# Allegro board 6089-103-RevA_73.brd (continued)
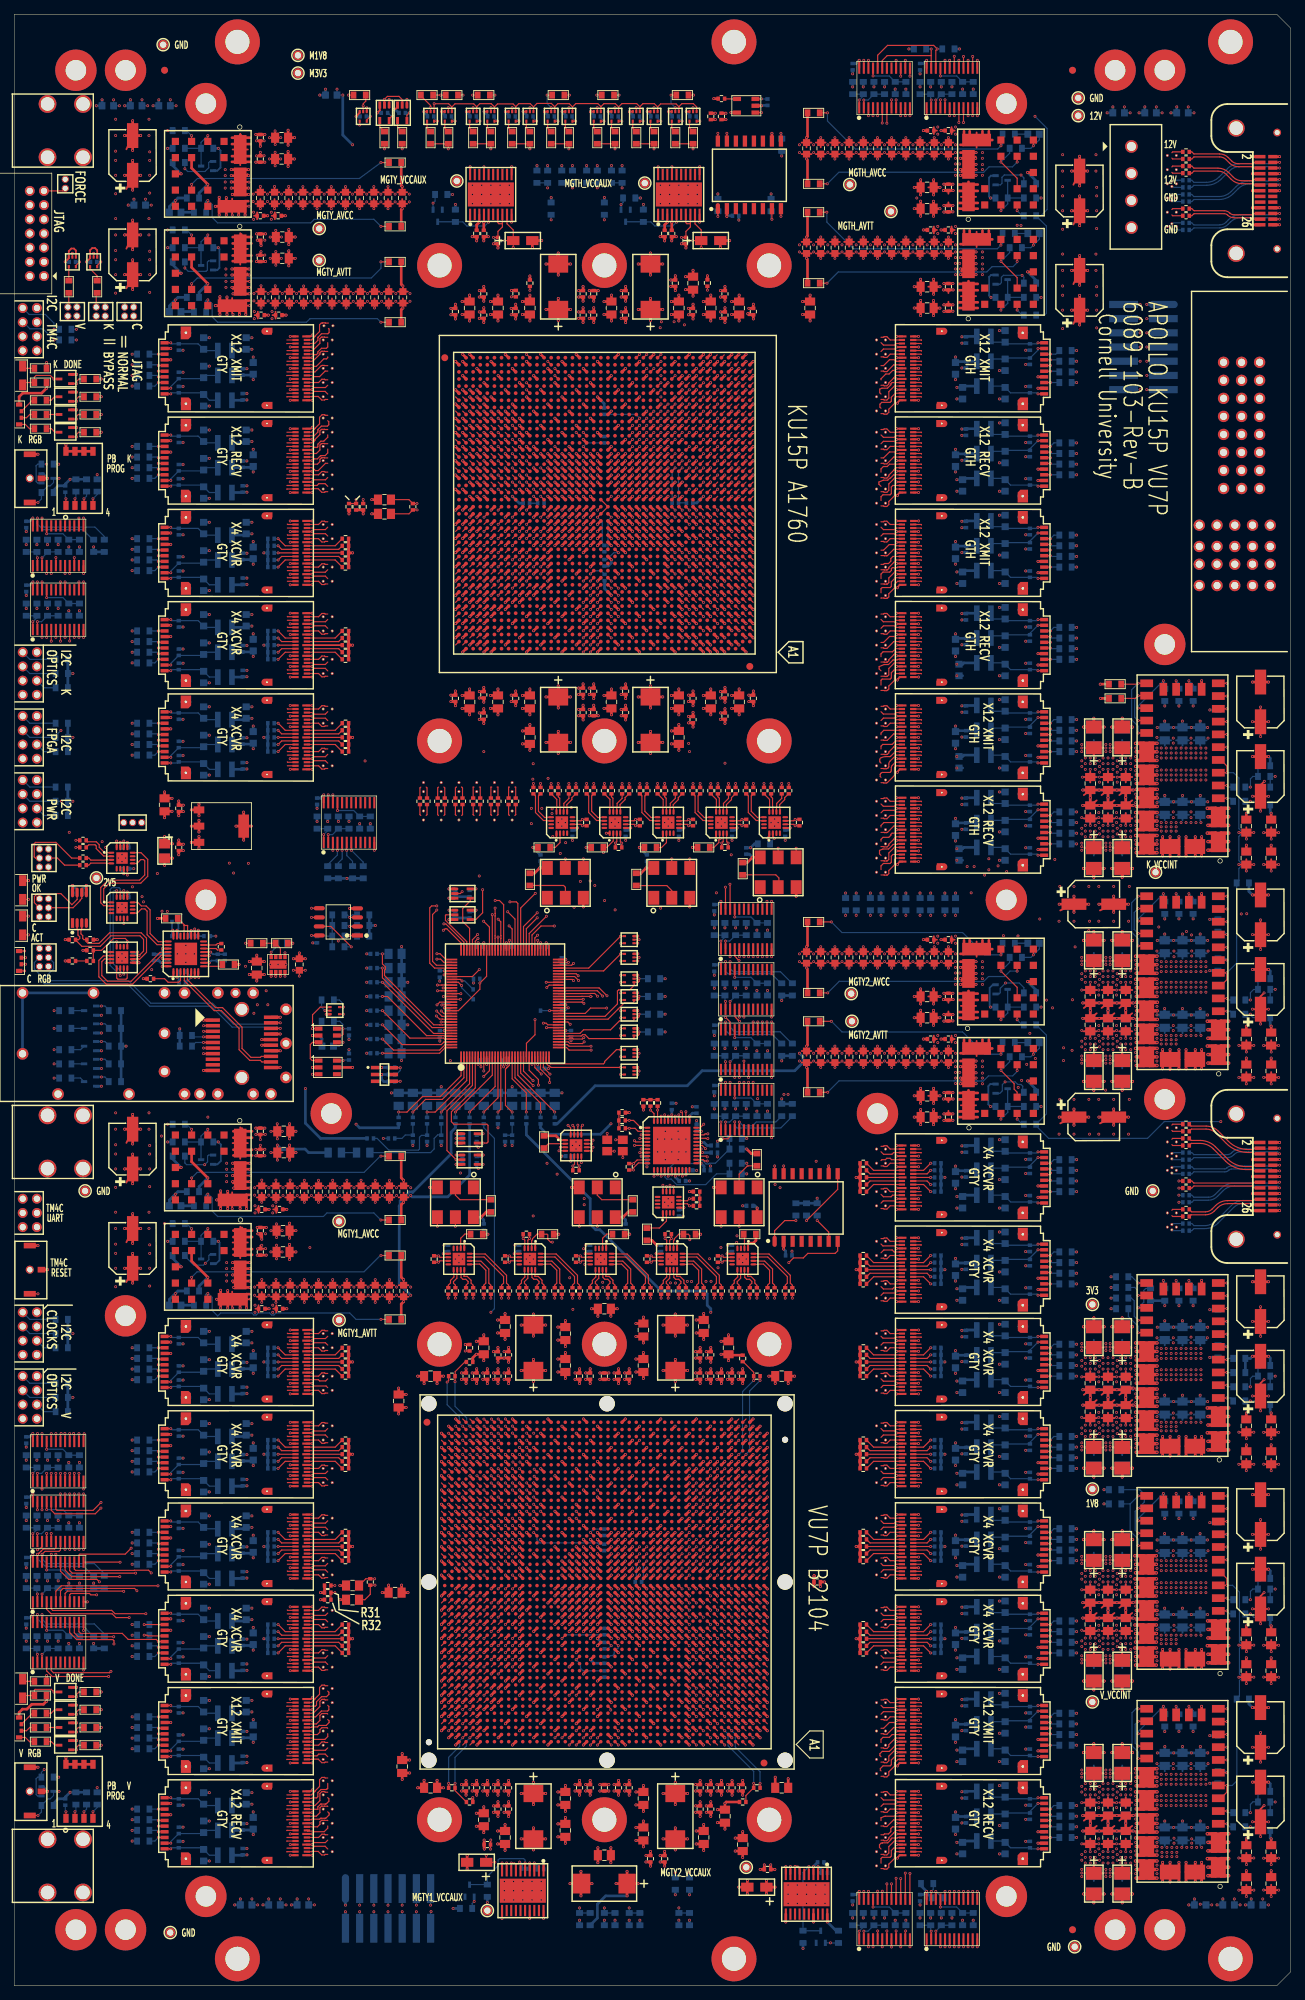
[diagram p0: board, top side]
## Routing (per net, layer and track width the routed paths; a pad name or vN(x,y) marks a point on that pad's centre or on a via; arc(x,y) is an arc through that point) (continued)
VCC_1V8: length 418.3
  TOP w0.25: U81.32 v1(96.86,120.4) ; U81.21 v1(94.7,114.27) ; U81.40 v1(92.2,122.53) ; U81.39 v1(92.7,122.72)
  TOP w0.254: C420.1 156.2,76.95 ; C420.1 154.9,75.86 ; C420.1 157.5,75.86 ; C388.1 152.6,79.99 ; C388.1 151.7,80.74 ; C388.1 150.8,79.99 ; C388.1 151.7,79.24 ; 156.7,79.24 C430.1 ; C430.1 156.7,80.74 ; C430.1 155.8,79.99 ; C430.1 157.6,79.99 ; C400.1 153.5,75.86 ; C400.1 152.2,76.95 ; C400.1 150.9,75.86 ; 153.3,79.99 C410.1 ; C410.1 154.2,79.24 ; C410.1 154.2,80.74 ; C410.1 155.1,79.99
  TOP w0.381: U65.V27 v1(77.23,204.93) ; U66.H25 v1(81.24,40.94) ; U65.L22 v1(82.23,197.93) ; 93.69,65.41 v1(94.16,65.87) ; U124.26 159.65,76.38 159.65,76.39 ; U66.BE24 v1(82.23,78.85) ; U66.E34 v1(72.25,37.94) ; v1(67.15,235.49) C130.1 v1(68.2,234.58) ; U66.BF31 v1(75.24,79.87) ; U66.AJ32 v1(74.23,62.88) ; U66.L16 v1(91.16,43.94) ; U65.AH27 v1(77.23,215.87) ; U66.AY29 v1(77.22,73.87) ; v1(99.56,237.95) C276.1 v1(100.2,237.37) ; U66.AR24 v1(82.23,68.87) ; U66.A36 v1(70.24,33.93) ; v1(65.56,237.95) C117.1 v1(66.2,237.37) ; v1(68.2,182.72) C131.1 v1(67.15,181.81) ; U66.B33 v1(73.24,34.95) ; U66.AE34 v1(72.25,58.86) ; U65.F17 v1(88.17,192.93) ; U65.F27 v1(77.23,192.93) ; U65.AG28 v1(76.23,214.87) ; U66.AG26 v1(80.25,60.87) ; U66.BD7 v1(100.17,77.86) ; U66.C40 v1(66.23,35.94) ; U66.AA30 v1(76.23,53.95) ; U66.BC40 v1(66.23,76.87) ; U66.L26 v1(80.25,43.94) ; U66.BA16 v1(91.16,74.87) ; U66.BC30 v1(76.23,76.87) ; R14.1 v1(12.27,226.4) ; v1(111.15,235.49) C315.1 v1(112.2,234.58) ; U66.AU28 v1(78.24,70.85) ; U65.E14 v1(91.17,191.93) ; U66.C30 v1(76.23,35.94) ; U65.AY29 v1(75.23,227.87) ; v1(100.2,179.93) C279.1 v1(99.56,179.35) ; U47.1 v1(62.3,120.06) ; U66.AW22 v1(85.16,72.86) ; U66.BD17 v1(90.17,77.86) ; v1(66.2,179.93) C120.1 v1(65.56,179.35) ; v1(82.56,85.45) C193.1 v1(83.83,85.45) ; U45.1 v1(61.3,154.56) ; U65.AF27 v1(77.23,213.87) ; U65.AB27 v1(77.23,209.87) ; v1(102.06,85.45) C290.1 v1(102.7,84.87) ; v1(63.06,28.35) C106.1 v1(63.7,28.93) ; U65.G30 v1(74.23,193.93) ; U66.BC10 v1(97.15,76.87) ; U66.AC28 v1(78.24,55.93) ; U66.AT31 v1(75.24,69.86) ; R68.2 v1(47.2,207.39) ; U66.G38 v1(68.23,39.93) ; 73.7,65.41 v1(73.24,65.87) ; U66.D17 v1(90.17,36.93) ; U66.AP27 v1(79.23,67.86) ; L1.1 v1(45.91,56.4) ; U66.BA36 v1(70.24,74.87) ; U65.AV33 v1(71.23,225.87) ; v1(54.2,80.58) C84.1 v1(55.25,81.49) ; U65.AU25 v1(79.23,224.87) ; U66.AK29 v1(77.22,63.87) ; U66.U28 v1(78.24,49.93) ; U65.T27 v1(77.23,202.93) ; U66.AV25 v1(81.24,71.87) ; U66.J32 v1(74.23,41.93) ; v1(107.29,84.87) C306.1 v1(106.38,85.9) ; U48.5 v1(66.1,117.06) ; U66.V29 v1(77.22,50.92) ; U66.BD37 v1(69.25,77.86) ; U66.P17 v1(90.17,46.94) ; v1(98.2,234.58) C262.1 v1(97.15,235.49) ; U65.AV13 v1(92.17,225.87) ; U65.Y27 v1(77.23,206.93) ; U65.AP21 v1(84.17,221.87) ; U65.H23 v1(81.23,194.93) ; U66.A16 v1(91.16,33.93) ; v1(55.52,55.4) C83.1 v1(54.61,56.45) ; U65.E24 v1(80.23,191.93) ; U66.B23 v1(84.17,34.95) ; U66.AA28 v1(78.24,53.95) ; v1(112.75,56.27) C316.1 112.75,57.63 112.81,57.69 112.81,57.76 112.78,57.76 112.78,57.78 v1(112.75,57.78) ; U66.AH27 v1(79.23,61.86) ; v1(97.15,181.81) C263.1 v1(98.2,182.72) ; v1(82.56,28.35) C194.1 v1(83.83,28.35) ; v1(60.52,27.9) C95.1 v1(59.61,28.95) ; U66.AB27 v1(79.23,54.94) ; U66.M33 v1(73.24,44.93) ; U66.Y27 v1(79.23,52.93) ; U66.AF31 v1(75.24,59.85) ; U66.D37 v1(69.25,36.93) ; U65.W28 v1(76.23,205.93) ; v1(63.7,84.87) C105.1 v1(63.06,85.45) ; U66.F31 v1(75.24,38.93) ; U66.E24 v1(82.23,37.94) ; U66.AE28 v1(78.24,58.86) ; U66.N20 v1(87.17,45.95) ; U66.AR34 v1(72.25,68.87) ; U66.AC30 v1(76.23,55.93) ; U66.H35 v1(71.23,40.94) ; U66.G28 v1(78.24,39.93) ; U65.AL17 v1(88.17,218.87) ; U66.BE34 v1(72.25,78.85) ; U46.5 v1(65.1,151.56) ; U66.K19 v1(88.16,42.95) ; U66.AT21 v1(86.15,69.86) ; U95.2 v1(100.47,249.31) ; v1(81.38,95.4) C192.1 v1(82.29,94.35) ; U65.AN13 v1(92.17,220.87) ; v1(59.61,84.85) C94.1 v1(60.52,85.9) ; U66.AD27 v1(79.23,57.87) ; U66.BE14 v1(93.16,78.85) ; U65.D31 v1(73.23,190.93) ; U66.AJ26 v1(80.25,62.88) ; v1(102.7,28.93) C291.1 v1(102.06,28.35) ; U66.BA26 v1(80.25,74.87) ; U65.U28 v1(76.23,203.93) ; v1(95.7,238.08) C245.1 v1(94.65,238.99) ; U65.M15 v1(90.17,198.93) ; v1(101.65,20.81) C292.1 v1(102.7,21.72) ; U66.A26 v1(80.25,33.93) ; U65.AR34 v1(70.23,222.87) ; U66.AD13 v1(94.16,57.87) ; U65.AY19 v1(86.17,227.87) ; U66.K29 v1(77.22,42.95) ; U66.Y29 v1(77.22,52.93) ; U65.B15 v1(90.17,188.93) ; U66.AU18 v1(89.18,70.85) ; v1(82.29,19.45) C195.1 v1(82.29,17.35) ; U65.AT17 v1(88.17,223.87) ; U65.C28 v1(76.23,189.93) ; U66.P27 v1(79.23,46.94) ; U65.AY24 v1(80.23,227.87) ; U66.AR14 v1(93.16,68.87) ; U65.AE28 v1(76.23,212.87) ; U66.BB33 v1(73.24,75.86) ; U66.BB13 v1(94.16,75.86) ; U66.BF11 v1(96.16,79.87) ; U65.J26 v1(78.23,195.93) ; C307.1 v1(107.29,29.39) ; v1(55.75,31.81) C86.1 v1(54.7,32.72) ; U65.AW36 v1(68.23,226.87) ; U65.C18 v1(87.17,189.93) ; U65.AW16 v1(89.17,226.87) ; U66.C20 v1(87.17,35.94) ; U66.H15 v1(92.17,40.94) ; U66.AA26 v1(80.25,53.95) ; U66.W32 v1(74.23,51.94) ; U66.M23 v1(84.17,44.93) ; U98.2 v1(108.47,103.81) ; U66.F21 v1(86.15,38.93) ; U65.AD27 v1(77.23,211.87) ; U66.E14 v1(93.16,37.94) ; U65.AP31 v1(73.23,221.87) ; U65.H13 v1(92.17,194.93) ; 83.71,65.41 v1(84.17,65.87) ; U65.K19 v1(86.17,196.93) ; U66.AN20 v1(87.17,66.86) ; U66.AL26 v1(80.25,64.86) ; U65.AP26 v1(78.23,221.87) ; U66.AB29 v1(77.22,54.94) ; U66.M13 v1(94.16,44.93) ; L3.1 v1(50.41,209.4) ; U66.BF21 v1(86.15,79.87) ; U66.AV15 v1(92.17,71.87) ; U66.N30 v1(76.23,45.95) ; R21.1 v1(12.27,41.4) ; U66.BD27 v1(79.23,77.86) ; U66.T31 v1(75.24,48.94) ; U66.BB23 v1(84.17,75.86) ; U66.AN30 v1(76.23,66.86) ; U66.R24 v1(82.23,47.93) ; U65.AU20 v1(85.17,224.87) ; U65.J16 v1(89.17,195.93) ; U65.AU30 v1(74.23,224.87) ; U66.W26 v1(80.25,51.94) ; U66.R14 v1(93.16,47.93) ; R32.2 v1(43.19,54.4) ; U66.AC26 v1(80.25,55.93) ; U66.AW32 v1(74.23,72.86) ; U66.D27 v1(79.23,36.93) ; U66.J22 v1(85.16,41.93) ; U66.AF29 v1(77.22,59.85) ; U66.AB33 v1(73.24,54.94) ; U66.AF27 v1(79.23,59.85) ; U66.V27 v1(79.23,50.92) ; U66.AY19 v1(88.16,73.87) ; U65.AA28 v1(76.23,207.93) ; U66.BC20 v1(87.17,76.87) ; U66.R34 v1(72.25,47.93) ; U66.AF13 v1(94.16,59.85) ; U66.B13 v1(94.16,34.95) ; U66.U26 v1(80.25,49.93) ; U66.W28 v1(78.24,51.94) ; U65.AC28 v1(76.23,210.87) ; U66.AG28 v1(78.24,60.87) ; U66.AL16 v1(91.16,64.86) ; U65.E34 v1(70.23,191.93) ; U66.AP17 v1(90.17,67.86) ; U66.G18 v1(89.18,39.93) ; U66.AD29 v1(77.22,57.87)
  TOP w0.5: 159.65,77.21 159.27,77.58 v1(158.09,77.58) ; 159.65,77.21 160.03,77.59 v1(161.11,77.59) ; 159.65,77.21 159.65,76.39 ; v1(158.1,80.83) 159.28,80.83 159.65,80.45 ; v1(161.1,75.17) 160.03,75.17 159.65,75.56 ; v1(158.19,78.42) 159.27,78.42 159.65,78.8 ; 159.65,79.63 v1(158.19,79.63) ; 159.65,79.63 U124.25 159.65,78.8 ; 159.65,79.63 v1(161.1,79.63) ; 159.65,79.63 159.65,80.45 ; v1(161.1,78.42) 160.03,78.42 159.65,78.8 ; 159.65,75.56 159.27,75.18 v1(158.19,75.18) ; 159.65,75.56 159.65,76.39 ; 159.65,76.39 v1(161.1,76.39) ; 159.65,76.39 v1(158.19,76.39) ; v1(161.12,80.83) 160.03,80.83 159.65,80.45
  PWR4 w0.254: 151.33,70.67 PM8.1 ; PM8.1 152.38,70.87 ; PM8.1 151.33,69.33 ; PM8.1 151.62,69.13 ; PM8.1 151.12,70 ; PM8.1 151.13,69.62 ; PM8.1 152.67,70.67 ; PM8.1 152,70.88
  BOTTOM w0.165: v1(41.51,12.24) C833.1 v1(42.33,11.4) ; v1(165.51,264.74) C506.1 v1(166.33,263.9) ; v1(18.51,251.74) C962.1 v1(19.33,250.9) ; v1(168.83,11.4) C491.1 167.6,11.4 167.5,11.5 v1(167.2,11.5)
  BOTTOM w0.254: C522.1 163.1,80.49 ; C522.1 162.2,79.74 ; C522.1 161.3,80.49 ; C410.1 154.2,80.74 ; C410.1 155.1,79.99 ; C410.1 154.2,79.24 ; C410.1 153.3,79.99 ; 166.3,80.49 C486.1 167.2,79.74 ; C388.1 152.6,79.99 ; C388.1 150.8,79.99 ; C388.1 151.7,80.74 ; C388.1 151.7,79.24 ; C420.1 157.5,75.86 ; C420.1 156.2,76.95 ; C420.1 154.9,75.86 ; C420.1 156.2,74.77 ; C400.1 152.2,76.95 ; C400.1 150.9,75.86 ; C400.1 152.2,74.77 ; C400.1 153.5,75.86 ; 163.8,80.49 C512.1 ; C512.1 164.7,79.74 ; C512.1 165.6,80.49 ; C430.1 156.7,80.74 ; C430.1 156.7,79.24 ; C430.1 157.6,79.99 ; C430.1 155.8,79.99
  BOTTOM w0.381: R284.2 v1(149.77,111.9) ; R618.2 v1(16.63,176.4) ; R283.2 v1(149.77,113.4) ; R413.1 v1(108.2,257.83) ; R254.2 v1(154.63,95.4) ; L27.1 134.25,101.9 C682.1 132.84,101.85 C716.1 v1(132.7,102.5) ; C798.1 62.51,119.85 v1(62.3,120.06) ; v1(132.7,89.5) C717.1 132.84,88.85 C684.1 134.25,88.9 L30.1 ; v1(33.7,60.3) C843.1 33.56,60.95 C873.1 32.15,60.9 L69.1 ; R311.2 v1(149.77,22.4) ; R260.2 v1(149.77,225.9) ; v1(33.7,200.3) C838.1 33.56,200.95 C863.1 32.15,200.9 L54.1 ; R610.2 v1(16.63,202.4) ; R629.2 v1(16.63,63.9) ; R705.1 5.56,210.72 6.2,211.35 R676.2 7.2,211.59 v1(7.87,212.26) R666.1 R658.1 ; R280.2 v1(149.77,160.9) ; L39.1 134.25,49.9 C690.1 132.84,49.85 C720.1 v1(132.7,50.5) ; R601.2 v1(16.63,229.9) ; R633.2 v1(16.63,50.9) ; R275.2 v1(149.77,175.4) ; C735.1 100.56,249.4 v1(100.47,249.31) ; L33.1 134.25,75.9 C686.1 132.84,75.85 C718.1 v1(132.7,76.5) ; R264.2 v1(149.77,212.9) ; L12.1 134.25,202.9 C672.1 132.84,202.85 C711.1 v1(132.7,203.5) ; L60.1 32.15,174.9 C867.1 33.56,174.95 C840.1 v1(33.7,174.3) ; R287.2 v1(149.77,100.4) ; L51.1 32.15,213.9 C861.1 33.56,213.95 C837.1 v1(33.7,213.3) ; R300.2 v1(149.77,59.9) ; R450.1 v1(95.2,9.25) ; R642.2 v1(16.63,23.4) ; v1(132.7,229.5) C709.1 132.84,228.85 C668.1 134.25,228.9 L6.1 ; L57.1 32.15,187.9 C865.1 33.56,187.95 C839.1 v1(33.7,187.3) ; R641.2 v1(16.63,24.9) ; L21.1 134.25,163.9 C678.1 132.84,163.85 C714.1 v1(132.7,164.5) ; R625.2 v1(16.63,76.9) ; J19.2 v1(46.7,10.44) ; R276.2 v1(149.77,173.9) ; v1(132.7,177.5) C713.1 132.84,176.85 C676.1 134.25,176.9 L18.1 ; C800.1 61.51,154.35 v1(61.3,154.56) ; R308.2 v1(149.77,33.9) ; L48.1 32.15,226.9 C859.1 33.56,226.95 C836.1 v1(33.7,226.3) ; R464.1 v1(84.2,256.47) ; L24.1 134.25,114.9 C680.1 132.84,114.85 C715.1 v1(132.7,115.5) ; R520.2 R526.2 v1(46.9,156.04) R529.2 R536.2 ; R299.2 v1(149.77,61.4) ; v1(132.7,37.5) C721.1 132.84,36.85 C692.1 134.25,36.9 L42.1 ; L9.1 134.25,215.9 C670.1 132.84,215.85 C710.1 v1(132.7,216.5) ; R634.2 v1(16.63,49.4) ; R268.2 v1(149.77,199.9) ; R303.2 v1(149.77,48.4) ; R617.2 v1(16.63,177.9) ; L63.1 32.15,86.9 C869.1 33.56,86.95 C841.1 v1(33.7,86.3) ; L72.1 32.15,47.9 C875.1 33.56,47.95 C844.1 v1(33.7,47.3) ; v1(132.7,24.5) C722.1 132.84,23.85 C694.1 134.25,23.9 L45.1 ; L15.1 134.25,189.9 C674.1 132.84,189.85 C712.1 v1(132.7,190.5) ; R638.2 v1(16.63,36.4) ; v1(108.47,103.81) 108.75,103.53 C729.1 ; R614.2 v1(16.63,189.4) ; R307.2 v1(149.77,35.4) ; R259.2 v1(149.77,227.4) ; L66.1 32.15,73.9 C871.1 33.56,73.95 C842.1 v1(33.7,73.3) ; R484.1 v1(75.7,251.97) ; C753.1 v1(92.7,122.72) ; R622.2 v1(16.63,88.4) ; C796.1 64.89,151.35 v1(65.1,151.56) ; R292.2 v1(149.77,85.9) ; R626.2 v1(16.63,75.4) ; R291.2 v1(149.77,87.4) ; R271.2 v1(149.77,188.4) ; R621.2 v1(16.63,89.9) ; v1(33.7,34.3) C845.1 33.56,34.95 C877.1 32.15,34.9 L75.1 ; R296.2 v1(149.77,72.9) ; R637.2 v1(16.63,37.9) ; R613.2 v1(16.63,190.9) ; R514.1 v1(49.69,137.4) ; L78.1 32.15,21.9 C879.1 33.56,21.95 C846.1 v1(33.7,21.3) ; R659.1 R667.1 v1(7.87,27.26) 7.2,26.59 R682.2 6.2,26.35 5.56,25.72 R713.1 ; v1(94.7,114.27) 94.75,114.32 C748.1 ; v1(132.7,63.5) C719.1 132.84,62.85 C688.1 134.25,62.9 L36.1 ; R479.1 v1(80.7,256.47) ; J18.2 v1(158.74,236.9) ; R272.2 v1(149.77,186.9) ; R304.2 v1(149.77,46.9) ; R606.2 v1(16.63,215.4) ; R267.2 v1(149.77,201.4) ; v1(113.2,110.97) R406.1 R407.1 R409.1 ; C746.1 96.81,120.45 v1(96.86,120.4) ; R279.2 v1(149.77,162.4) ; R453.1 v1(93.2,12.83) ; v1(66.1,117.06) 65.89,116.85 C793.1 ; R263.2 v1(149.77,214.4) ; R630.2 v1(16.63,62.4) ; R443.1 v1(99.2,252.47) ; R605.2 v1(16.63,216.9) ; R609.2 v1(16.63,203.9) ; R312.2 v1(149.77,20.9) ; R488.1 v1(73.7,256.47) ; R459.1 v1(88.2,9.25) ; R417.1 v1(106.7,252.47) ; R288.2 v1(149.77,98.9) ; R463.1 v1(84.7,9.25) ; R295.2 v1(149.77,74.4) ; R602.2 v1(16.63,228.4)
  vias: v1(150.5,80.1) v1(150.5,78.6) v1(150.5,77.8) v1(150.5,76.5) v1(150.5,76) v1(150.5,75.5) v1(151,79) v1(151,78.2) v1(151,77.4) v1(151.7,79) v1(151.7,78.2) v1(151.7,77.4) v1(152.4,79) v1(152.4,78.2) v1(152.4,77.4) v1(152.9,80.8) v1(152.9,80.1) v1(152.9,79.4) v1(153,78.6) v1(153,77.8) v1(153.5,79) v1(153.5,78.2) v1(153.5,77.4) v1(153.9,76.5) v1(153.9,76) v1(153.9,75.5) v1(154.2,79) v1(154.2,78.2) v1(154.2,77.4) v1(154.5,76.5) v1(154.5,76) v1(154.5,75.5) v1(154.9,79) v1(154.9,78.2) v1(154.9,77.4) v1(155.4,80.8) v1(155.4,80.1) v1(155.4,79.4) v1(155.5,78.6) v1(155.5,77.8) v1(156,79) v1(156,78.2) v1(156,77.4) v1(156.7,79) v1(156.7,78.2) v1(156.7,77.4) v1(157.4,79) v1(157.4,78.2) v1(157.4,77.4) v1(158.1,80.2) v1(158.1,79) v1(158.1,77) v1(158.1,75.8) v1(161.1,80.2) v1(161.1,79) v1(161.1,77) v1(161.1,75.8) v1(161.7,79.4) v1(161.7,78.8) v1(161.7,78.2) v1(162.4,79.4) v1(162.4,78.8) v1(162.4,78.2) v1(163.1,79.4) v1(163.1,78.8) v1(163.1,78.2) v1(163.4,80.7) v1(163.4,80) v1(163.8,79.4) v1(163.8,78.8) v1(163.8,78.2) v1(164.5,79.4) v1(165.2,79.4) v1(165.9,80.7) v1(165.9,80) v1(165.9,79.4) v1(166.6,79.4) v1(167.3,79.4)
VCC_1V8_PG: length 138.6
  TOP w0.165: v1(75.48,127.27) 75.48,127.88 74.2,129.16 U52.29
  SIG2 w0.079: v1(75.48,127.27) 75.48,127.11 98.15,127.11 98.83,126.42 127.33,126.42 127.64,126.11 129.76,126.11 129.86,126.22 151.73,126.22 152.06,126.54 153.53,126.54 v1(153.87,126.2)
  SIG3 w0.079: v1(153.87,126.2) 154.4,126.2 156.5,124.1 156.5,112.2 173.7,95 173.7,84.97 v1(174.27,84.4)
  BOTTOM w0.165: R221.2 v1(174.27,84.4) 174.27,85.57 174.59,85.89 175.32,85.89 R202.2 R201.1
VCC_1V8_PWR_EN: length 123.9
  TOP w0.165: U73.4 v1(85.49,137.4) ; 169.75,88.22 v1(170.95,88.22)
  SIG3 w0.079: v1(170.95,88.22) 170.59,88.59 170.59,96.71 155.5,111.8 155.5,121.52 146.38,130.64 v1(146.38,137.79)
  SIG4 w0.079: v1(146.38,137.79) 145.93,138.24 137.48,138.24 137.24,138 127.64,138 127.63,138.01 86.38,138.01 85.77,137.4 v1(85.49,137.4)
  BOTTOM w0.165: R219.1 171.13,88.4 v1(170.95,88.22)
VCC_2V5: length 38.6
  TOP w0.165: U12.12 v1(17.41,145.65) ; U12.16 v1(14.45,147.11) ; U11.7 v1(15.45,149.69) ; U11.14 v1(15.45,154.3)
  TOP w0.25: U10.16 v1(14.45,161.3) ; U10.7 v1(15.45,156.69) ; U10.14 v1(15.45,161.3)
  TOP w0.381: v1(23.2,161.43) C13.1 v1(23.84,160.85) ; U19.3 v1(26.05,160.29) ; U19.3 v1(24.97,161.11) ; U19.3 v1(26.05,161.94) ; R18.1 v1(11.71,147.4) ; R12.1 v1(7.19,147.4) ; v1(21.2,161.92) C11.1 v1(22.3,160.92) ; R19.2 v1(9.69,145.9)
  PWR3 w0.254: 10.72,156.1 PM14.1 ; PM14.1 10.93,156.77 ; PM14.1 11.6,155.22 ; PM14.1 12.27,155.43 ; PM14.1 10.93,155.43 ; PM14.1 12.48,156.1 ; PM14.1 11.6,156.98 ; PM14.1 12.27,156.77
  BOTTOM w0.381: C964.1 17.09,145.35 17.39,145.65 v1(17.41,145.65) ; C967.1 15.45,153.6 v1(15.45,154.3) ; C966.1 15.25,156.89 v1(15.45,156.69) ; v1(15.45,161.3) 15.45,160.6 C965.1 ; R519.1 43.2,119.4 41.05,121.55 v1(41.05,126.42)
VCC_3V3: length 477.4
  TOP w0.25: U81.8 v1(88.19,117.4) ; v1(96.86,118.81) 96.83,118.81 96.75,118.9 U81.29 ; U61.5 v1(78.45,116.19) ; U81.23 v1(96.83,115.9) ; U102.24 v1(128.62,271.3) ; U54.4 v1(72.67,17.3) ; U36.24 v1(43.62,167.8) ; U83.5 v1(90.49,103.15) ; U14.1 22.45,142.26 v1(22.3,142.11) ; U91.24 v1(99.62,152.8) ; U58.5 v1(79.41,163.15) ; U81.18 v1(93.2,114.08) ; U81.9 v1(88.38,116.9) ; U103.24 v1(128.62,13.3) ; U68.5 v1(86.91,163.15) ; 92.72,249.6 v1(92.72,248.5) ; U99.4 v1(112.67,16.8) ; U3.24 v1(2.62,77.8) ; U99.3 v1(113.33,16.8) ; U94.24 v1(99.62,127.3) ; U56.5 v1(70.49,103.15) ; U54.3 v1(73.33,17.3) ; v1(20.87,143.62) 20.87,143.62 21.02,143.62 21.04,143.65 U14.32 ; U89.5 v1(100.49,103.15) ; U96.5 v1(109.41,163.15) ; U93.24 v1(99.62,135.8) ; U85.3 v1(92.08,248.5) ; U64.5 v1(80.49,103.15) ; U14.12 v1(27.5,145.15) ; U14.10 v1(27.5,144.15) ; U79.5 v1(94.41,163.15) ; U14.2 v1(22.95,142.1) ; U2.24 v1(2.62,197.8) ; U100.24 v1(119.12,271.3) ; U4.24 v1(2.62,69.3) ; U101.24 v1(119.12,13.3) ; U1.24 v1(2.62,206.8) ; U81.34 v1(95.2,122.53) ; U14.31 v1(20.91,144.15) ; 66.22,249.6 v1(66.22,248.5) ; U14.24 22.45,148.5 22.36,148.59 v1(22.36,148.73) ; U81.26 v1(97.02,117.4) ; U6.24 v1(2.62,52.3) ; U80.5 v1(94.41,109.65) ; U92.24 v1(99.62,144.3) ; U14.18 v1(25.45,148.9) ; U51.3 v1(65.58,248.5) ; U44.5 v1(60.49,103.15) ; U5.24 v1(2.62,60.8) ; U87.5 v1(101.91,163.15)
  TOP w0.254: 154.2,85.06 C409.1 ; C409.1 154.2,86.56 ; C409.1 155.1,85.81 ; C409.1 153.3,85.81 ; C429.1 156.7,86.56 ; C429.1 156.7,85.06 ; C429.1 155.8,85.81 ; C429.1 157.6,85.81 ; 150.9,89.94 C399.1 ; C399.1 153.5,89.94 ; C399.1 152.2,88.85 ; 151.7,85.06 C387.1 ; C387.1 151.7,86.56 ; C387.1 150.8,85.81 ; C387.1 152.6,85.81 ; 156.2,88.85 C419.1 ; C419.1 154.9,89.94 ; C419.1 157.5,89.94
  TOP w0.381: R144.2 103.35,158.26 v1(104.08,159) U97.6 ; R96.2 66.55,109.04 v1(65.82,108.3) U43.6 ; U13.15 v1(34.9,132.53) ; C111.1 65.2,248.12 v1(65.58,248.5) ; D5.2 v1(2.01,155.72) ; R122.2 86.55,109.04 v1(85.82,108.3) U63.6 ; v1(21.2,164.58) C10.1 v1(22.25,165.49) ; D3.3 0.7,38.52 1.17,38.98 1.79,38.98 2.48,39.66 4.13,39.66 v1(4.56,40.1) R7.1 ; v1(23.84,165.45) C12.1 v1(23.2,164.87) ; U13.16 v1(34.9,133.32) ; R2.1 v1(4.56,225.1) 3.86,224.4 1.2,224.4 0.7,223.9 D1.3 ; v1(103.27,117.9) 103.91,117.26 R149.2 ; R1.2 v1(4.56,228.7) ; C116.1 66.2,248.47 v1(66.22,248.5) ; U88.6 v1(104.74,109.58) ; R103.2 73.35,156.76 v1(74.08,157.5) U59.6 ; R6.2 v1(4.56,43.7) ; U124.22 159.65,89.38 159.64,89.38 ; R124.2 88.35,156.76 v1(89.08,157.5) U82.6 ; v1(92.08,248.5) 91.7,248.12 C229.1 ; C233.1 92.7,248.47 v1(92.72,248.5) ; U19.1 v1(26.05,166.51) ; U19.1 v1(26.05,164.86) ; U19.1 v1(24.97,165.69) ; U8.8 v1(8.22,155.04)
  TOP w0.5: 159.64,88.55 160.02,88.17 v1(161.09,88.17) ; 159.64,88.55 159.64,89.38 ; 159.64,88.55 159.26,88.17 v1(158.18,88.17) ; v1(161.1,84.92) 160.03,84.92 159.65,85.3 ; 159.65,85.3 159.27,84.92 v1(158.19,84.92) ; 159.65,85.3 U124.23 ; 159.64,89.38 v1(158.19,89.38) ; 159.64,89.38 159.64,90.2 ; 159.64,89.38 v1(161.09,89.38) ; U124.23 v1(158.19,86.12) ; U124.23 v1(161.1,86.12) ; U124.23 159.65,86.95 ; 159.64,90.2 159.26,90.58 v1(158.09,90.58) ; 159.64,90.2 160.02,90.58 v1(161.1,90.58) ; v1(161.12,87.33) 160.03,87.33 159.65,86.95 ; 159.65,86.95 159.28,87.33 v1(158.1,87.33)
  PWR1 w0.254: 151.12,96 PM17.1 ; PM17.1 152.67,96.67 ; PM17.1 152,95.12 ; PM17.1 151.33,96.67 ; PM17.1 152.67,95.33 ; PM17.1 151.33,95.33 ; PM17.1 152,96.88 ; PM17.1 152.88,96
  BOTTOM w0.165: v1(172.83,11.4) C480.1 v1(172.01,12.24) ; v1(161.83,263.9) C527.1 v1(161.01,264.74) ; v1(18.83,264.9) C963.1 v1(18.01,265.74) ; v1(37.51,12.24) C835.1 v1(38.33,11.4)
  BOTTOM w0.25: C918.1 23.25,142.41 v1(22.95,142.1) 23.25,141.81 C919.1 ; C956.1 22.25,148.63 v1(22.36,148.73) 22.25,148.84 C955.1 ; v1(25.45,148.9) 25.45,148.1 C917.1 C883.1 ; v1(27.5,144.15) 27.8,144.45 C882.1 C881.1
  BOTTOM w0.254: 166.3,90.99 C485.1 ; C485.1 167.2,90.24 ; C485.1 168.1,90.99 ; 162.2,90.24 C521.1 ; C521.1 161.3,90.99 ; C521.1 163.1,90.99 ; 151.7,85.06 C387.1 ; C387.1 151.7,86.56 ; C387.1 150.8,85.81 ; C387.1 152.6,85.81 ; C511.1 165.6,90.99 ; C511.1 163.8,90.99 ; C511.1 164.7,90.24 ; C419.1 156.2,91.03 ; C419.1 154.9,89.94 ; C419.1 156.2,88.85 ; C419.1 157.5,89.94 ; C409.1 155.1,85.81 ; C409.1 154.2,85.06 ; C409.1 154.2,86.56 ; C409.1 153.3,85.81 ; C429.1 156.7,86.56 ; C429.1 155.8,85.81 ; C429.1 156.7,85.06 ; C429.1 157.6,85.81 ; C399.1 152.2,91.03 ; C399.1 153.5,89.94 ; C399.1 152.2,88.85 ; C399.1 150.9,89.94
  BOTTOM w0.381: R397.2 v1(121.2,9.55) ; v1(128.62,13.3) 127.84,14.09 R382.2 ; v1(128.62,13.3) 128.62,13.11 R378.2 ; v1(128.62,13.3) 128.17,12.85 C724.1 ; v1(78.45,116.19) 78.65,116.39 C767.1 ; v1(108.2,130.33) R415.2 R411.2 ; C831.1 43.17,167.35 v1(43.62,167.8) ; R434.2 v1(101.7,123.55) ; C973.1 2.17,197.35 v1(2.62,197.8) ; v1(23.34,134.83) R587.2 R588.2 ; R724.2 v1(1.7,57.05) ; R310.2 v1(149.77,23.9) ; R722.2 v1(1.7,74.05) ; v1(133.59,118.35) C679.1 134.25,118.4 L23.1 ; R345.2 v1(131.2,153.97) ; v1(119.12,13.3) 118.67,12.85 C726.1 ; R683.2 R684.2 ; R684.2 R685.2 ; R684.2 v1(8.27,184.9) ; v1(33.51,64.59) C854.1 32.51,64.4 L68.1 ; v1(133.59,193.35) C673.1 134.25,193.4 L14.1 ; R693.2 v1(8.27,91.9) ; R693.2 R694.2 ; R693.2 R692.2 ; C744.1 97.25,115.48 v1(96.83,115.9) ; v1(132.89,20.21) C705.1 133.89,20.4 L46.1 ; R640.2 v1(16.63,33.4) ; v1(33.51,51.59) C855.1 32.51,51.4 L71.1 ; v1(132.89,98.21) C699.1 133.89,98.4 L28.1 ; L20.1 134.25,167.4 C677.1 v1(133.59,167.35) ; v1(2.62,69.3) 2.17,68.85 C975.1 ; v1(11.2,48.25) R657.2 R652.2 ; v1(33.51,191.59) C850.1 32.51,191.4 L56.1 ; R691.2 R690.2 ; R690.2 R689.2 ; R690.2 v1(8.27,166.9) ; R339.2 v1(133.7,267.25) ; v1(33.51,204.59) C849.1 32.51,204.4 L53.1 ; R668.2 v1(7.7,202.75) ; R539.2 v1(42.7,164.05) ; v1(73.33,17.3) 73.75,16.88 C776.1 ; R432.2 v1(101.7,140.55) ; R624.2 v1(16.63,85.4) ; R608.2 v1(16.63,212.4) ; v1(133.59,40.35) C691.1 134.25,40.4 L41.1 ; C774.1 74.2,157.62 v1(74.08,157.5) ; R720.2 v1(1.7,203.05) ; v1(132.89,33.21) C704.1 133.89,33.4 L43.1 ; C750.1 94.11,162.85 v1(94.41,163.15) ; v1(33.51,90.59) C852.1 32.51,90.4 L62.1 ; R286.2 v1(149.77,101.9) ; L34.1 133.89,72.4 C701.1 v1(132.89,72.21) ; R262.2 v1(149.77,215.9) ; v1(33.51,38.59) C856.1 32.51,38.4 L74.1 ; v1(32.81,57.45) C874.1 32.15,57.4 L70.1 ; R631.2 v1(16.63,60.9) ; R385.2 v1(127.7,153.97) ; L35.1 134.25,66.4 C687.1 v1(133.59,66.35) ; L79.1 32.15,18.4 C880.1 v1(32.81,18.45) ; v1(99.62,144.3) 99.17,143.85 C739.1 ; C741.1 99.17,126.85 v1(99.62,127.3) ; R707.2 v1(4.7,194.05) ; L7.1 133.89,225.4 C695.1 v1(132.89,225.21) ; v1(99.62,152.8) 99.17,152.35 C738.1 ; v1(113.33,16.8) 113.75,16.38 C727.1 ; R277.2 v1(149.77,165.4) ; R447.2 v1(98.7,123.55) ; v1(32.81,70.45) C872.1 32.15,70.4 L67.1 ; R433.2 v1(101.7,132.05) ; v1(133.59,105.35) C681.1 134.25,105.4 L26.1 ; v1(109.41,163.15) 109.11,162.85 C730.1 ; v1(104.74,109.58) 104.42,109.9 C733.1 ; v1(108.2,138.83) R414.2 R410.2 ; R289.2 v1(149.77,90.4) ; L16.1 133.89,186.4 133.7,186.21 C706.1 v1(132.89,186.21) ; R643.2 v1(16.63,21.9) ; R721.2 v1(1.7,194.05) ; L29.1 134.25,92.4 C683.1 v1(133.59,92.35) ; v1(96.86,118.81) 97.28,118.81 97.69,118.4 C742.1 ; v1(88.38,116.9) 88.43,116.85 C757.1 ; R388.2 v1(125.7,153.97) ; C961.1 20.4,144.45 20.7,144.15 v1(20.91,144.15) 21.1,144.15 21.4,144.45 C959.1 ; R396.2 v1(121.2,267.55) ; v1(99.62,135.8) 99.17,135.35 C740.1 ; v1(32.81,44.45) C876.1 32.15,44.4 L73.1 ; C789.1 66.2,107.92 v1(65.82,108.3) ; C728.1 112.67,16.82 v1(112.67,16.8) ; v1(133.59,79.35) C685.1 134.25,79.4 L32.1 ; L22.1 133.89,160.4 133.7,160.21 C708.1 v1(132.89,160.21) ; R273.2 v1(149.77,178.4) ; L77.1 32.51,25.4 C857.1 v1(33.51,25.59) ; R294.2 v1(149.77,75.9) ; R639.2 v1(16.63,34.9) ; R395.2 v1(122.2,153.97) ; R298.2 v1(149.77,62.9) ; C725.1 118.67,270.85 v1(119.12,271.3) ; R458.1 v1(88.7,251) ; v1(93.2,114.08) 93.2,113.95 C749.1 ; R615.2 v1(16.63,187.9) ; R444.2 v1(98.7,149.05) ; v1(33.51,178.59) C851.1 32.51,178.4 L59.1 ; C974.1 2.17,77.35 v1(2.62,77.8) ; R686.2 R687.2 ; R687.2 v1(8.27,175.9) ; R687.2 R688.2 ; R696.2 v1(8.27,82.9) ; R696.2 R697.2 ; R696.2 R695.2 ; L50.1 32.51,217.4 C848.1 v1(33.51,217.59) ; v1(86.91,163.15) 86.61,162.85 C759.1 ; L10.1 133.89,212.4 C696.1 v1(132.89,212.21) ; v1(101.91,163.15) 101.61,162.85 C736.1 ; R265.2 v1(149.77,204.4) ; v1(133.59,180.35) C675.1 134.25,180.4 L17.1 ; v1(2.62,206.8) 2.17,206.35 C972.1 ; R628.2 v1(16.63,72.4) ; R270.2 v1(149.77,189.9) ; v1(33.51,77.59) C853.1 32.51,77.4 L65.1 ; R620.2 v1(16.63,173.4) ; L58.1 32.15,184.4 C866.1 v1(32.81,184.45) ; R644.2 v1(16.63,20.4) ; R636.2 v1(16.63,46.4) ; R710.2 v1(4.7,57.05) ; v1(100.49,103.15) 100.79,103.45 C737.1 ; C976.1 2.17,60.35 v1(2.62,60.8) ; R619.2 v1(16.63,174.9) ; R708.2 v1(4.7,74.05) ; R340.2 v1(133.7,9.25) ; R390.2 v1(124.2,267.25) ; R436.2 v1(103.27,117.9) ; v1(8.22,155.04) 8.75,154.51 C970.1 ; C743.1 v1(97.02,117.4) ; R669.2 v1(7.7,193.75) ; R402.2 v1(118.2,267.55) ; R423.2 v1(104.7,148.75) ; R611.2 v1(16.63,200.9) ; L19.1 133.89,173.4 133.7,173.21 C707.1 v1(132.89,173.21) ; R723.2 v1(1.7,65.55) ; R392.2 v1(124.2,9.25) ; C760.1 86.2,107.92 v1(85.82,108.3) ; R403.2 v1(118.2,9.55) ; v1(132.89,199.21) C697.1 133.89,199.4 L13.1 ; v1(32.81,197.45) C864.1 32.15,197.4 L55.1 ; R274.2 v1(149.77,176.9) ; R297.2 v1(149.77,64.4) ; C763.1 80.79,103.45 v1(80.49,103.15) ; R438.2 v1(103.27,114.4) ; R408.1 v1(111.2,5.25) ; R616.2 v1(16.63,186.4) ; R282.2 v1(149.77,114.9) ; R424.2 v1(104.7,140.25) ; v1(132.89,111.21) C698.1 133.89,111.4 L25.1 ; v1(70.49,103.15) 70.79,103.45 C780.1 ; R632.2 v1(16.63,59.4) ; R346.2 v1(130.7,267.55) ; v1(72.67,17.3) 72.67,16.73 C777.1 ; R341.2 v1(132.7,153.97) ; L52.1 32.15,210.4 C862.1 v1(32.81,210.45) ; R281.2 v1(149.77,116.4) ; L5.1 134.25,232.4 C667.1 v1(133.59,232.35) ; v1(133.59,219.35) C669.1 134.25,219.4 L8.1 ; R386.2 v1(127.7,9.55) ; R257.2 v1(149.77,230.4) ; R604.2 v1(16.63,225.4) ; R344.2 v1(133.27,272.9) ; v1(2.62,52.3) 2.17,51.85 C977.1 ; R495.1 v1(66.7,11.72) ; R302.2 v1(149.77,49.9) ; v1(90.49,103.15) 90.79,103.45 C754.1 ; R404.2 v1(117.2,153.97) ; R709.2 v1(4.7,65.55) ; v1(94.41,109.65) 94.11,109.35 C751.1 ; v1(32.81,223.45) C860.1 32.15,223.4 L49.1 ; v1(132.89,85.21) C700.1 133.89,85.4 L31.1 ; R499.1 v1(62.2,251) ; C764.1 79.11,162.85 v1(79.41,163.15) ; R269.2 v1(149.77,191.4) ; R266.2 v1(149.77,202.9) ; v1(133.59,27.35) C693.1 134.25,27.4 L44.1 ; R670.2 v1(7.7,73.75) ; R635.2 v1(16.63,47.9) ; C734.1 103.63,159.45 v1(104.08,159) ; R492.1 v1(70.2,118.39) ; R278.2 v1(149.77,163.9) ; C745.1 95.62,122.95 v1(95.2,122.53) ; R607.2 v1(16.63,213.9) ; R426.2 v1(104.7,123.25) ; v1(32.81,171.45) C868.1 32.15,171.4 L61.1 ; R725.2 v1(1.7,48.55) ; R290.2 v1(149.77,88.9) ; R258.2 v1(149.77,228.9) ; v1(132.89,46.21) C703.1 133.89,46.4 L40.1 ; v1(128.62,271.3) 128.17,270.85 C723.1 ; R347.2 v1(130.7,9.55) ; v1(32.81,83.45) C870.1 32.15,83.4 L64.1 ; R673.2 v1(7.7,48.25) ; R251.2 v1(154.63,99.9) ; v1(11.2,202.75) R655.2 R650.2 ; v1(133.59,53.35) C689.1 134.25,53.4 L38.1 ; R285.2 v1(149.77,103.4) ; R445.2 v1(98.7,140.55) ; R401.2 v1(118.7,153.97) ; L76.1 32.15,31.4 C878.1 v1(32.81,31.45) ; R391.2 v1(124.2,153.97) ; L37.1 133.89,59.4 C702.1 v1(132.89,59.21) ; R706.2 v1(4.7,203.05) ; v1(133.59,206.35) C671.1 134.25,206.4 L11.1 ; v1(108.2,124.97) R416.2 R412.2 ; R525.2 v1(48.7,163.75) ; R380.2 v1(129.2,153.97) ; R383.2 v1(126.13,272.9) ; R431.2 v1(101.7,149.05) ; R309.2 v1(149.77,25.4) ; R672.2 v1(7.7,56.75) ; R384.2 v1(127.7,267.55) ; C756.1 89.2,157.62 v1(89.08,157.5) ; v1(11.2,56.75) R656.2 R651.2 ; R627.2 v1(16.63,73.9) ; R671.2 v1(7.7,65.25) ; R305.2 v1(149.77,38.4) ; R711.2 v1(4.7,48.55) ; R603.2 v1(16.63,226.9) ; v1(33.51,230.59) C847.1 32.51,230.4 L47.1 ; R293.2 v1(149.77,77.4) ; v1(60.49,103.15) 60.79,103.45 C805.1 ; R425.2 v1(104.7,131.75) ; R528.2 v1(45.7,164.05) ; R398.2 v1(120.7,153.97) ; R612.2 v1(16.63,199.4) ; R301.2 v1(149.77,51.4) ; R623.2 v1(16.63,86.9) ; R261.2 v1(149.77,217.4) ; R306.2 v1(149.77,36.9) ; R446.2 v1(98.7,132.05)